# Altium PCB RFFE-Ver1A.PcbDoc (part 1 of 7) (continued)
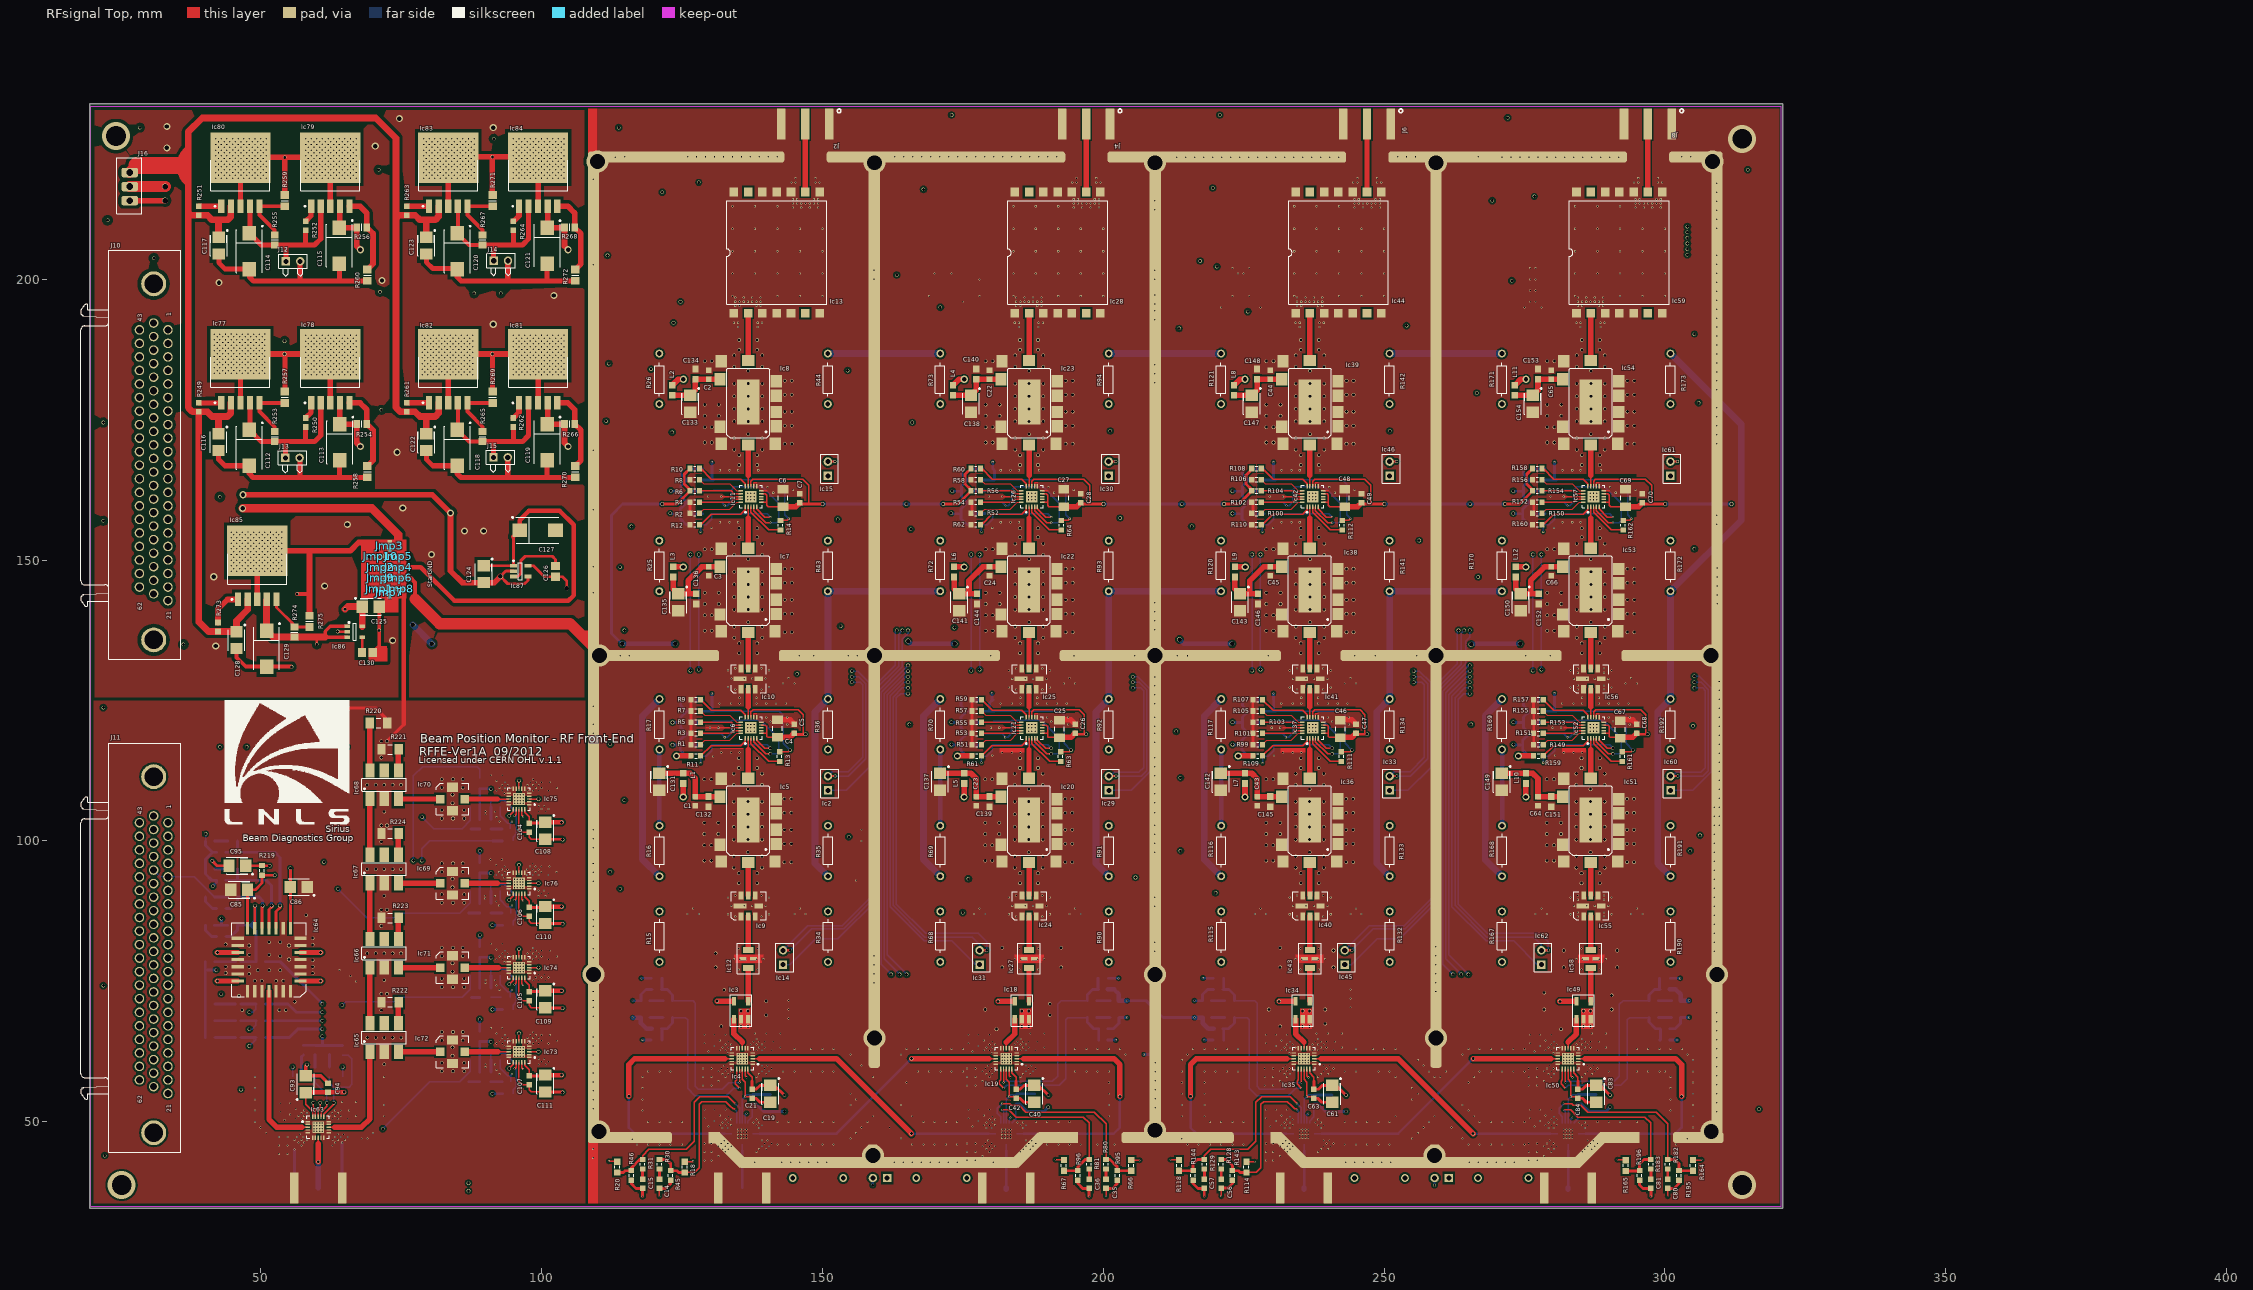
[diagram p0: RFsignal Top view]
## Components (designator, comment, footprint, x,y, rotation, side; value= is the part's Value field where it differs from the comment)
C1 "C1608C0G1H101J" CAPC1608N 127.4,107.1 r90 top
C2 "C1608C0G1H101J" CAPC1608N 129.75,183.02 r90 top
C3 "C1608C0G1H101J" CAPC1608N 129.75,148 r90 top
C4 "CAP CER 0.1UF" CAPC3216M 142,120 r90 top
C5 "C1608C0G1H101J" CAPC1608N 145,120 r90 top
C6 "CAP CER 0.1UF" CAPC3216M 142.979,161.074 r90 top
C7 "C1608C0G1H101J" CAPC1608N 145.98,161 r90 top
C8 "C1608C0G1H470J" CAPC1608N 125.6,125.1 r180 bottom
C9 "C1608C0G1H470J" CAPC1608N 125.6,121.1 r180 bottom
C10 "C1608C0G1H470J" CAPC1608N 125.5,117.1 r180 bottom
C11 "C1608C0G1H470J" CAPC1608N 125.48,166.25 r180 bottom
C12 "C1608C0G1H470J" CAPC1608N 125.48,162.25 r180 bottom
C13 "C1608C0G1H470J" CAPC1608N 125.48,158.25 r180 bottom
C14 "C1608C0G1H470J" CAPC1608N 121,38.95 r90 top
C15 "C1608C0G1H470J" CAPC1608N 118,38.95 r90 top
C16 "C1608C0G1H470J" CAPC1608N 118.5,68.57 r0 bottom
C17 "C1608C0G1H470J" CAPC1608N 118.5,71.57 r0 bottom
C18 "CAP TANT 4.7UF" TC3528-1411 140.75,53.35 r90 bottom
C19 "CAP TANT 4.7UF" TC3528-1411 140.75,55 r270 top
C20 "C1608C0G1H101J" CAPC1608N 137.5,54 r90 bottom
C21 "C1608C0G1H101J" CAPC1608N 137.5,55 r270 top
C22 "C1608C0G1H101J" CAPC1608N 179.75,183.02 r90 top
C23 "C1608C0G1H101J" CAPC1608N 177.4,107.1 r90 top
C24 "C1608C0G1H101J" CAPC1608N 179.75,148 r90 top
C25 "CAP CER 0.1UF" CAPC3216M 192.212,119.966 r90 top
C26 "C1608C0G1H101J" CAPC1608N 195,120 r90 top
C27 "CAP CER 0.1UF" CAPC3216M 192.979,161.074 r90 top
C28 "C1608C0G1H101J" CAPC1608N 195.98,161 r90 top
C29 "C1608C0G1H470J" CAPC1608N 175.5,125.15 r180 bottom
C30 "C1608C0G1H470J" CAPC1608N 175.5,121.15 r180 bottom
C31 "C1608C0G1H470J" CAPC1608N 175.5,117.15 r180 bottom
C32 "C1608C0G1H470J" CAPC1608N 175.78,166.3 r180 bottom
C33 "C1608C0G1H470J" CAPC1608N 175.48,162.3 r180 bottom
C34 "C1608C0G1H470J" CAPC1608N 175.48,158.3 r180 bottom
C35 "C1608C0G1H470J" CAPC1608N 200.5,38.95 r90 top
C36 "C1608C0G1H470J" CAPC1608N 197.5,38.95 r90 top
C37 "C1608C0G1H470J" CAPC1608N 202,68.57 r180 bottom
C38 "C1608C0G1H470J" CAPC1608N 202,71.57 r180 bottom
C39 "CAP TANT 4.7UF" TC3528-1411 187.75,53.35 r90 bottom
C40 "CAP TANT 4.7UF" TC3528-1411 187.75,55 r270 top
C41 "C1608C0G1H101J" CAPC1608N 184.5,54 r90 bottom
C42 "C1608C0G1H101J" CAPC1608N 184.5,55 r270 top
C43 "C1608C0G1H101J" CAPC1608N 227.4,107.1 r270 top
C44 "C1608C0G1H101J" CAPC1608N 229.75,183.02 r90 top
C45 "C1608C0G1H101J" CAPC1608N 229.75,148 r90 top
C46 "CAP CER 0.1UF" CAPC3216M 242.211,119.966 r90 top
C47 "C1608C0G1H101J" CAPC1608N 245,120 r90 top
C48 "CAP CER 0.1UF" CAPC3216M 242.979,161.074 r90 top
C49 "C1608C0G1H101J" CAPC1608N 245.98,161 r90 top
C50 "C1608C0G1H470J" CAPC1608N 225.5,125.15 r180 bottom
C51 "C1608C0G1H470J" CAPC1608N 225.5,121.15 r180 bottom
C52 "C1608C0G1H470J" CAPC1608N 225.5,117.15 r180 bottom
C53 "C1608C0G1H470J" CAPC1608N 225.48,166.3 r180 bottom
C54 "C1608C0G1H470J" CAPC1608N 225.48,162.3 r180 bottom
C55 "C1608C0G1H470J" CAPC1608N 225.48,158.3 r180 bottom
C56 "C1608C0G1H470J" CAPC1608N 221,38.95 r90 top
C57 "C1608C0G1H470J" CAPC1608N 218,38.95 r90 top
C58 "C1608C0G1H470J" CAPC1608N 218.5,68.57 r0 bottom
C59 "C1608C0G1H470J" CAPC1608N 218.5,71.57 r0 bottom
C60 "CAP TANT 4.7UF" TC3528-1411 240.75,53.35 r90 bottom
C61 "CAP TANT 4.7UF" TC3528-1411 240.75,55 r270 top
C62 "C1608C0G1H101J" CAPC1608N 237.5,54 r90 bottom
C63 "C1608C0G1H101J" CAPC1608N 237.5,55 r270 top
C64 "C1608C0G1H101J" CAPC1608N 277.4,107.1 r90 top
C65 "C1608C0G1H101J" CAPC1608N 279.75,183.02 r90 top
C66 "C1608C0G1H101J" CAPC1608N 279.75,148 r90 top
C67 "CAP CER 0.1UF" CAPC3216M 292.043,119.858 r90 top
C68 "C1608C0G1H101J" CAPC1608N 294.99,120 r90 top
C69 "CAP CER 0.1UF" CAPC3216M 292.979,161.074 r90 top
C70 "C1608C0G1H101J" CAPC1608N 295.98,161 r90 top
C71 "CAP TANT 4.7UF" TC3528-1411 287.75,53.35 r90 bottom
C72 "C1608C0G1H470J" CAPC1608N 275.6,125.15 r180 bottom
C73 "C1608C0G1H470J" CAPC1608N 275.5,121.15 r180 bottom
C74 "C1608C0G1H470J" CAPC1608N 275.5,117.15 r180 bottom
C75 "C1608C0G1H470J" CAPC1608N 302,68.57 r180 bottom
C76 "C1608C0G1H470J" CAPC1608N 302,71.57 r180 bottom
C77 "C1608C0G1H470J" CAPC1608N 275.48,166.33 r180 bottom
C78 "C1608C0G1H470J" CAPC1608N 275.48,162.33 r180 bottom
C79 "C1608C0G1H470J" CAPC1608N 275.48,158.33 r180 bottom
C80 "C1608C0G1H470J" CAPC1608N 300.5,38.95 r90 top
C81 "C1608C0G1H470J" CAPC1608N 297.5,38.95 r90 top
C82 "C1608C0G1H101J" CAPC1608N 284.5,54 r90 bottom
C83 "CAP TANT 4.7UF" TC3528-1411 287.75,55 r270 top
C84 "C1608C0G1H101J" CAPC1608N 284.5,55 r270 top
C85 "CAP TANT 4.7UF" TC3528-1411 46.18,91.31 r180 top
C86 "CAP TANT 4.7UF" TC3528-1411 56.79,91.81 r180 top
C87 "C1608C0G1H470J" CAPC1608N 62.26,62.78 r90 bottom
C88 "C1608C0G1H470J" CAPC1608N 59.68,62.82 r90 bottom
C89 "C1608C0G1H470J" CAPC1608N 41,90 r0 bottom
C90 "C1608C0G1H470J" CAPC1608N 41,85 r0 bottom
C91 "C1608C0G1H470J" CAPC1608N 41,100 r180 bottom
C92 "C1608C0G1H470J" CAPC1608N 41,95 r180 bottom
C93 "CAP TANT 4.7UF" TC3528-1411 58,56.7 r90 top
C94 "C1608C0G1H101J" CAPC1608N 62,56.1 r90 top
C95 "CAP TANT 4.7UF" TC3528-1411 45.85,95.6 r180 top
C96 "C1608C0G1H470J" CAPC1608N 86.25,57.15 r180 bottom
C97 "C1608C0G1H470J" CAPC1608N 93.75,57.15 r0 bottom
C98 "C1608C0G1H470J" CAPC1608N 86.65,72.15 r180 bottom
C99 "C1608C0G1H470J" CAPC1608N 93.65,72.15 r0 bottom
C100 "C1608C0G1H470J" CAPC1608N 86.65,102.15 r180 bottom
C101 "C1608C0G1H470J" CAPC1608N 93.65,102.15 r0 bottom
C102 "C1608C0G1H470J" CAPC1608N 86.25,87.15 r180 bottom
C103 "C1608C0G1H470J" CAPC1608N 93.75,87.15 r0 bottom
C104 "C1608C0G1H101J" CAPC1608N 97.79,102.38 r270 top
C105 "C1608C0G1H101J" CAPC1608N 97.79,72.38 r270 top
C106 "C1608C0G1H101J" CAPC1608N 97.79,87.38 r270 top
C107 "C1608C0G1H101J" CAPC1608N 97.79,57.38 r90 top
C108 "CAP TANT 4.7UF" TC3528-1411 100.69,101.82 r270 top
C109 "CAP TANT 4.7UF" TC3528-1411 100.69,71.83 r270 top
C110 "CAP TANT 4.7UF" TC3528-1411 100.69,86.83 r270 top
C111 "CAP TANT 4.7UF" TC3528-1411 100.69,56.83 r270 top
C112 "CAP TANT 33UF" TC7343-2917 48,170 r270 top
C113 "CAP TANT 33UF" TC7343-2917 64.1,171 r270 top
C114 "CAP TANT 33UF" TC7343-2917 48,205 r270 top
C115 "CAP TANT 33UF" TC7343-2917 64,206 r270 top
C116 "CAP TANT 10UF" TC3528-1411 42.5,171 r270 top
C117 "CAP TANT 10UF" TC3528-1411 42.55,206 r270 top
C118 "CAP TANT 33UF" TC7343-2917 85,170 r270 top
C119 "CAP TANT 33UF" TC7343-2917 101,171 r270 top
C120 "CAP TANT 33UF" TC7343-2917 85,205 r270 top
C121 "CAP TANT 33UF" TC7343-2917 101,206 r270 top
C122 "CAP TANT 10UF" TC3528-1411 79.5,171 r270 top
C123 "CAP TANT 10UF" TC3528-1411 79.5,206 r270 top
C124 "CAP TANT 10UF" TC3528-1411 89.7,147.5 r270 top
C125 "CAP TANT 10UF" TC3528-1411 69.6,141.7 r0 top
C126 "CAP CER 10000PF" CAPC2012M 102.5,148 r270 top
C127 "CAP TANT 33UF" TC7343-2917 99.3,155.3 r0 top
C128 "CAP TANT 10UF" TC3528-1411 45.7,135.75 r270 top
C129 "CAP TANT 33UF" TC7343-2917 51.05,134.25 r270 top
C130 "CAP CER 10000PF" CAPC2012M 69,133.6 r0 top
C131 "CAP TANT 4.7UF" TC3528-1411 120.95,110.55 r270 top
C132 "C1608C0G1H102J" CAPC1608M 129.75,107 r270 top
C133 "CAP TANT 4.7UF" TC3528-1411 126.47,177.84 r270 top
C134 "C1608C0G1H102J" CAPC1608M 127.4,183.12 r90 top
C135 "CAP TANT 4.7UF" TC3528-1411 124.35,142.5 r270 top
C136 "C1608C0G1H102J" CAPC1608M 127.55,143.1 r270 top
C137 "CAP TANT 4.7UF" TC3528-1411 170.95,110.55 r270 top
C138 "CAP TANT 4.7UF" TC3528-1411 176.47,177.84 r270 top
C139 "C1608C0G1H102J" CAPC1608M 179.75,107 r270 top
C140 "C1608C0G1H102J" CAPC1608M 177.4,183.12 r90 top
C141 "CAP TANT 4.7UF" TC3528-1411 174.35,142.5 r270 top
C142 "CAP TANT 4.7UF" TC3528-1411 220.95,110.55 r270 top
C143 "CAP TANT 4.7UF" TC3528-1411 224.35,142.5 r270 top
C144 "C1608C0G1H102J" CAPC1608M 177.55,143.1 r270 top
C145 "C1608C0G1H102J" CAPC1608M 229.75,107 r270 top
C146 "C1608C0G1H102J" CAPC1608M 227.55,143.1 r270 top
C147 "CAP TANT 4.7UF" TC3528-1411 226.47,177.84 r270 top
C148 "C1608C0G1H102J" CAPC1608M 227.4,183.12 r90 top
C149 "CAP TANT 4.7UF" TC3528-1411 270.95,110.55 r270 top
C150 "CAP TANT 4.7UF" TC3528-1411 274.35,142.5 r270 top
C151 "C1608C0G1H102J" CAPC1608M 279.75,107 r270 top
C152 "C1608C0G1H102J" CAPC1608M 277.55,143.1 r270 top
C153 "C1608C0G1H102J" CAPC1608M 277.4,183.12 r90 top
C154 "CAP TANT 4.7UF" TC3528-1411 276.47,177.84 r270 top
D1 "RB521CS-30T2R" RESC1005L 46,71 r180 bottom
D2 "RB521CS-30T2R" RESC1005L 46,78.5 r180 bottom
D3 "RB521CS-30T2R" RESC1005L 46,65 r180 bottom
D4 "RB521CS-30T2R" RESC1005L 46,68 r180 bottom
Ic1 "HSWA2-30DR+" DG983-1 135.75,47.9 r180 bottom
Ic2 "DETECTOR RTD TF 100 OHM +/-0.06%" RTDX2 151,109 r90 top
Ic3 "SBTC-2-10L+" AT1029 136.79,71.45 r270 top
Ic4 "HSWA2-30DR+" DG983-1 135.75,61.25 r180 top
Ic5 "TAMP-72LN+" JQ1382 141.79,96.36 r90 top
Ic6 "DAT-31R5-SP+" DG983-1 137.29,120.15 r90 top
Ic7 "TAMP-72LN+" JQ1382 141.79,137.31 r90 top
Ic8 "TAMP-72LN+" JQ1382 141.8,170.72 r90 top
Ic9 "TA0568A" TST-TA0568A 135.53,86.57 r90 top
Ic10 "TA0568A" TST-TA0568A 135.52,127 r90 top
Ic11 "DAT-31R5-SP+" DG983-1 137.29,161.32 r90 top
Ic12 "LFCN-530+" FV1206 136.8,77.37 r90 top
Ic13 "BPF-C495+" HU1186 134.26,193.95 r90 top
Ic14 "DETECTOR RTD TF 100 OHM +/-0.06%" RTDX2 143,78 r90 top
Ic15 "DETECTOR RTD TF 100 OHM +/-0.06%" RTDX2 150.98,165 r90 top
Ic16 "DETECTOR RTD TF 100 OHM +/-0.06%" RTDX2 161.54,40 r180 bottom
Ic17 "HSWA2-30DR+" DG983-1 182.75,47.9 r180 bottom
Ic18 "SBTC-2-10L+" AT1029 186.79,71.45 r270 top
Ic19 "HSWA2-30DR+" DG983-1 182.75,61.25 r180 top
Ic20 "TAMP-72LN+" JQ1382 191.79,96.36 r90 top
Ic21 "DAT-31R5-SP+" DG983-1 187.29,120.15 r90 top
Ic22 "TAMP-72LN+" JQ1382 191.79,137.31 r90 top
Ic23 "TAMP-72LN+" JQ1382 191.8,170.72 r90 top
Ic24 "TA0568A" TST-TA0568A 185.53,86.57 r90 top
Ic25 "TA0568A" TST-TA0568A 185.52,127 r90 top
Ic26 "DAT-31R5-SP+" DG983-1 187.29,161.32 r90 top
Ic27 "LFCN-530+" FV1206 186.8,77.37 r90 top
Ic28 "BPF-C495+" HU1186 184.26,193.95 r90 top
Ic29 "DETECTOR RTD TF 100 OHM +/-0.06%" RTDX2 201,109 r90 top
Ic30 "DETECTOR RTD TF 100 OHM +/-0.06%" RTDX2 200.98,165 r90 top
Ic31 "DETECTOR RTD TF 100 OHM +/-0.06%" RTDX2 178,78 r90 top
Ic32 "HSWA2-30DR+" DG983-1 235.75,47.9 r180 bottom
Ic33 "DETECTOR RTD TF 100 OHM +/-0.06%" RTDX2 251,109 r90 top
Ic34 "SBTC-2-10L+" AT1029 236.79,71.45 r270 top
Ic35 "HSWA2-30DR+" DG983-1 235.75,61.25 r180 top
Ic36 "TAMP-72LN+" JQ1382 241.79,96.36 r90 top
Ic37 "DAT-31R5-SP+" DG983-1 237.29,120.15 r90 top
Ic38 "TAMP-72LN+" JQ1382 241.79,137.31 r90 top
Ic39 "TAMP-72LN+" JQ1382 241.8,170.72 r90 top
Ic40 "TA0568A" TST-TA0568A 235.53,86.57 r90 top
Ic41 "TA0568A" TST-TA0568A 235.52,127 r90 top
Ic42 "DAT-31R5-SP+" DG983-1 237.29,161.32 r90 top
Ic43 "LFCN-530+" FV1206 236.8,77.37 r90 top
Ic44 "BPF-C495+" HU1186 234.26,193.95 r90 top
Ic45 "DETECTOR RTD TF 100 OHM +/-0.06%" RTDX2 243,78 r90 top
Ic46 "DETECTOR RTD TF 100 OHM +/-0.06%" RTDX2 250.98,165 r90 top
Ic47 "HSWA2-30DR+" DG983-1 282.75,47.9 r180 bottom
Ic48 "DETECTOR RTD TF 100 OHM +/-0.06%" RTDX2 261.54,40 r180 bottom
Ic49 "SBTC-2-10L+" AT1029 286.79,71.45 r270 top
Ic50 "HSWA2-30DR+" DG983-1 282.75,61.25 r180 top
Ic51 "TAMP-72LN+" JQ1382 291.79,96.36 r90 top
Ic52 "DAT-31R5-SP+" DG983-1 287.29,120.15 r90 top
Ic53 "TAMP-72LN+" JQ1382 291.79,137.31 r90 top
Ic54 "TAMP-72LN+" JQ1382 291.8,170.72 r90 top
Ic55 "TA0568A" TST-TA0568A 285.53,86.57 r90 top
Ic56 "TA0568A" TST-TA0568A 285.52,127 r90 top
Ic57 "DAT-31R5-SP+" DG983-1 287.29,161.32 r90 top
Ic58 "LFCN-530+" FV1206 286.8,77.37 r90 top
Ic59 "BPF-C495+" HU1186 284.26,193.95 r90 top
Ic60 "DETECTOR RTD TF 100 OHM +/-0.06%" RTDX2 301,109 r90 top
Ic61 "DETECTOR RTD TF 100 OHM +/-0.06%" RTDX2 300.98,165 r90 top
Ic62 "DETECTOR RTD TF 100 OHM +/-0.06%" RTDX2 278,78 r90 top
Ic63 "HSWA2-30DR+" DG983-1 60.248,49.05 r0 top
Ic64 "GSWA-4-30DR" AN1102 57.09,75.07 r180 top
Ic65 "ADC-10-4+" CD542 71.99,65.01 r90 top
Ic66 "ADC-10-4+" CD542 71.99,80.01 r90 top
Ic67 "ADC-10-4+" CD542 71.99,95.01 r90 top
Ic68 "ADC-10-4+" CD542 71.99,110.01 r90 top
Ic69 "PAT-1+" AF320 81.99,92.47 r0 top
Ic70 "PAT-0+" AF320 81.99,107.47 r0 top
Ic71 "PAT-2+" AF320 81.99,77.47 r0 top
Ic72 "PAT-3+" AF320 81.99,62.47 r0 top
Ic73 "HSWA2-30DR+" DG983-1 95.99,62.47 r180 top
Ic74 "HSWA2-30DR+" DG983-1 95.99,77.47 r180 top
Ic75 "HSWA2-30DR+" DG983-1 95.99,107.47 r180 top
Ic76 "HSWA2-30DR+" DG983-1 95.99,92.47 r180 top
Ic77 "IC LDO LO NOISE 3A ADJ DDPAK-5" "DD PAK" 43,178 r90 top
Ic78 "IC LDO LO NOISE 3A ADJ DDPAK-5" "DD PAK" 59,178 r90 top
Ic79 "IC LDO LO NOISE 3A ADJ DDPAK-5" "DD PAK" 59,213 r90 top
Ic80 "IC LDO LO NOISE 3A ADJ DDPAK-5" "DD PAK" 43,213 r90 top
Ic81 "IC LDO LO NOISE 3A ADJ DDPAK-5" "DD PAK" 96,178 r90 top
Ic82 "IC LDO LO NOISE 3A ADJ DDPAK-5" "DD PAK" 80,178 r90 top
Ic83 "IC LDO LO NOISE 3A ADJ DDPAK-5" "DD PAK" 80,213 r90 top
Ic84 "IC LDO LO NOISE 3A ADJ DDPAK-5" "DD PAK" 96,213 r90 top
Ic85 "IC LDO LO NOISE 3A ADJ DDPAK-5" "DD PAK" 46,143 r90 top
Ic86 "TPS73030DBVT" DBV005 65.4,138.2 r0 top
Ic87 "LT1964ES5-5#TRMPBF" TSOT-23 95,149 r0 top
J1 "CONN SMA" SMAEDGE50R 140.001,38.25 r180 bottom
J2 "CONN SMA" SMAEDGE50R 151.21,227.65 r180 top
J3 "CONN SMA" SMAEDGE50R 187.001,38.25 r180 bottom
J4 "CONN SMA" SMAEDGE50R 201.21,227.65 r180 top
J5 "CONN SMA" SMAEDGE50R 240.001,38.25 r180 bottom
J6 "CONN SMA" SMAEDGE50R 251.21,227.65 r180 top
J7 "CONN SMA" SMAEDGE50R 287.001,38.25 r180 bottom
J8 "CONN SMA" SMAEDGE50R 301.21,227.65 r180 top
J9 "CONN SMA" SMAEDGE50R 64.501,38.24 r180 bottom
J10 "CONN D-SUB" D-SUB62 33.5,191 r90 top
J11 "CONN D-SUB" D-SUB62 33.5,103.25 r90 top
J12 "CONN HEADR" HDR1X2Ha 54.5,203.2 r0 top
J13 "CONN HEADR" HDR1X2H 54.4,168.2 r0 top
J14 "CONN HEADR" HDR1X2H 91.5,203.3 r0 top
J15 "CONN HEADR" HDR1X2H 91.45,168.3 r0 top
J16 "1881451" AXIAL3 26.7,219 r270 top
Jmp1 "Jumper" STRGND 71,144.95 r0 top
Jmp2 "Jumper" STRGND 71.2,148.75 r0 top
Jmp3 "Jumper" STRGND 73,152.7 r270 top
Jmp4 "Jumper" STRGND 74.75,148.75 r180 top
Jmp5 "Jumper" STRGND 74.75,150.65 r180 top
Jmp6 "Jumper" STRGND 74.75,146.85 r180 top
Jmp7 "Jumper" STRGND 73,144.1 r90 top
Jmp8 "Jumper" STRGND 75,144.95 r180 top
Jmp9 "Jumper" STRGND 71.2,146.85 r0 top
Jmp10 "Jumper" STRGND 71.2,150.65 r0 top
L1 "BLM18HE601SN1D" CAPC1608M 125.25,111.15 r270 top
L2 "BLM18HE601SN1D" CAPC1608M 123.28,180.24 r270 top
L3 "BLM18HE601SN1D" CAPC1608M 123.45,147.9 r90 top
L4 "BLM18HE601SN1D" CAPC1608M 173.28,180.24 r270 top
L5 "BLM18HE601SN1D" CAPC1608M 175.25,111.15 r270 top
L6 "BLM18HE601SN1D" CAPC1608M 173.45,147.9 r90 top
L7 "BLM18HE601SN1D" CAPC1608M 225.25,111.15 r270 top
L8 "BLM18HE601SN1D" CAPC1608M 223.28,180.24 r270 top
L9 "BLM18HE601SN1D" CAPC1608M 223.45,147.9 r90 top
L10 "BLM18HE601SN1D" CAPC1608M 275.25,111.15 r270 top
L11 "BLM18HE601SN1D" CAPC1608M 273.28,180.24 r270 top
L12 "BLM18HE601SN1D" CAPC1608M 273.45,147.9 r90 top
R1 "ERJ-3GEYJ103V" RESC1608N 127.49,117.15 r0 top
R2 "ERJ-3GEYJ103V" RESC1608N 127.29,158.32 r0 top
R3 "ERJ-3GEYJ103V" RESC1608N 127.49,119.15 r0 top
R4 "ERJ-3GEYJ103V" RESC1608N 127.29,160.32 r0 top
R5 "ERJ-3GEYJ103V" RESC1608N 127.49,121.15 r0 top
R6 "ERJ-3GEYJ103V" RESC1608N 127.29,162.32 r0 top
R7 "ERJ-3GEYJ103V" RESC1608N 127.49,123.15 r0 top
R8 "ERJ-3GEYJ103V" RESC1608N 127.29,164.32 r0 top
R9 "ERJ-3GEYJ103V" RESC1608N 127.49,125.15 r0 top
R10 "ERJ-3GEYJ103V" RESC1608N 127.29,166.32 r0 top
R11 "ERJ-3GEYJ103V" RESC1608N 127.49,115.15 r0 top
R12 "ERJ-3GEYJ103V" RESC1608N 127.29,156.32 r0 top
R13 "ERJ-3GEYJ103V" RESC1608N 142.41,115.04 r270 top
R14 "ERJ-3GEYJ103V" RESC1608N 142.55,156.23 r270 top
R15 "CMF5546R400FHEB" AXIAL9.0 121,85.75 r90 top
R16 "CMF5546R400FHEB" AXIAL9.0 121,101 r90 top
R17 "CMF5546R400FHEB" AXIAL9.0 121,118 r270 top
R18 "RES 0.0 OHM" RESC1608M 125.5,41.95 r90 top
R19 "RES 0.0 OHM" RESC1608M 120.5,75.57 r0 bottom
R20 "RES 0.0 OHM" RESC1608M 113.5,41.95 r90 top
R21 "RES 0.0 OHM" RESC1608M 120.5,64.57 r0 bottom
R22 "ERJ-3GEYJ101V" RESC1608N 129.5,125.1 r0 bottom
R23 "ERJ-3GEYJ101V" RESC1608N 129.5,121.1 r0 bottom
R24 "ERJ-3GEYJ101V" RESC1608N 129.5,117.1 r0 bottom
R25 "CMF5546R400FHEB" AXIAL9.0 120.98,151.75 r90 top
R26 "CMF5546R400FHEB" AXIAL9.0 120.98,179.5 r270 top
R27 "ERJ-3GEYJ101V" RESC1608N 129.48,166.25 r0 bottom
R28 "ERJ-3GEYJ101V" RESC1608N 129.48,162.25 r0 bottom
R29 "ERJ-3GEYJ101V" RESC1608N 129.48,158.25 r0 bottom
R30 "ERJ-3GEYJ101V" RESC1608N 121,42.45 r90 top
R31 "ERJ-3GEYJ101V" RESC1608N 118,42.45 r90 top
R32 "ERJ-3GEYJ101V" RESC1608N 122.5,68.57 r0 bottom
R33 "ERJ-3GEYJ101V" RESC1608N 122.5,71.57 r0 bottom
R34 "CMF5546R400FHEB" AXIAL9.0 151,85.75 r90 top
R35 "CMF5546R400FHEB" AXIAL9.0 151,101 r90 top
R36 "CMF5546R400FHEB" AXIAL9.0 151,118 r270 top
R37 "ERJ-3GEYJ103V" RESC1608N 127.5,123.1 r0 bottom
R38 "ERJ-3GEYJ103V" RESC1608N 127.5,119.1 r0 bottom
R39 "ERJ-3GEYJ103V" RESC1608N 127.5,115.1 r0 bottom
R40 "ERJ-3GEYJ103V" RESC1608N 127.48,164.25 r0 bottom
R41 "ERJ-3GEYJ103V" RESC1608N 127.48,160.25 r0 bottom
R42 "ERJ-3GEYJ103V" RESC1608N 127.48,156.25 r0 bottom
R43 "CMF5546R400FHEB" AXIAL9.0 150.98,151.75 r90 top
R44 "CMF5546R400FHEB" AXIAL9.0 150.98,179.5 r270 top
R45 "ERJ-3GEYJ103V" RESC1608N 123,40.45 r90 top
R46 "ERJ-3GEYJ103V" RESC1608N 116,40.45 r90 top
R47 "ERJ-3GEYJ103V" RESC1608N 120.5,66.57 r0 bottom
R48 "ERJ-3GEYJ103V" RESC1608N 120.5,73.57 r0 bottom
R49 "CMF5546R400FHEB" AXIAL9.0 146.44,40 r180 bottom
R50 "CMF5546R400FHEB" AXIAL9.0 174,40 r0 bottom
R51 "ERJ-3GEYJ103V" RESC1608N 177.49,117.15 r0 top
R52 "ERJ-3GEYJ103V" RESC1608N 177.29,158.32 r0 top
R53 "ERJ-3GEYJ103V" RESC1608N 177.49,119.15 r0 top
R54 "ERJ-3GEYJ103V" RESC1608N 177.29,160.32 r0 top
R55 "ERJ-3GEYJ103V" RESC1608N 177.49,121.15 r0 top
R56 "ERJ-3GEYJ103V" RESC1608N 177.29,162.32 r0 top
R57 "ERJ-3GEYJ103V" RESC1608N 177.49,123.15 r0 top
R58 "ERJ-3GEYJ103V" RESC1608N 177.29,164.32 r0 top
R59 "ERJ-3GEYJ103V" RESC1608N 177.49,125.15 r0 top
R60 "ERJ-3GEYJ103V" RESC1608N 177.29,166.32 r0 top
R61 "ERJ-3GEYJ103V" RESC1608N 177.49,115.15 r0 top
R62 "ERJ-3GEYJ103V" RESC1608N 177.29,156.32 r0 top
R63 "ERJ-3GEYJ103V" RESC1608N 192.41,115.04 r270 top
R64 "ERJ-3GEYJ103V" RESC1608N 192.55,156.23 r270 top
R65 "RES 0.0 OHM" RESC1608M 200,75.57 r180 bottom
R66 "RES 0.0 OHM" RESC1608M 205,42.25 r90 top
R67 "RES 0.0 OHM" RESC1608M 193,42.25 r90 top
R68 "CMF5546R400FHEB" AXIAL9.0 171,85.75 r90 top
R69 "CMF5546R400FHEB" AXIAL9.0 171,101 r90 top
R70 "CMF5546R400FHEB" AXIAL9.0 171,118 r270 top
R71 "ERJ-3GEY0R00V" CAPC1608N 200,64.57 r180 bottom
R72 "CMF5546R400FHEB" AXIAL9.0 170.98,151.75 r90 top